# Altium PCB DIOT_PSU_integrated.PcbDoc (part 1 of 3)
Units mm, origin at the board's own origin, x right, y up, seen from the top; angles counter-clockwise.
Board outline 219.8 x 100 mm, 2 copper layers (Top Layer, Bottom Layer), stack 1.69 mm thick; 166 components, 95 nets, 513 pads, 1167 vias.
Unrouted connection lines stored in the file: 2.
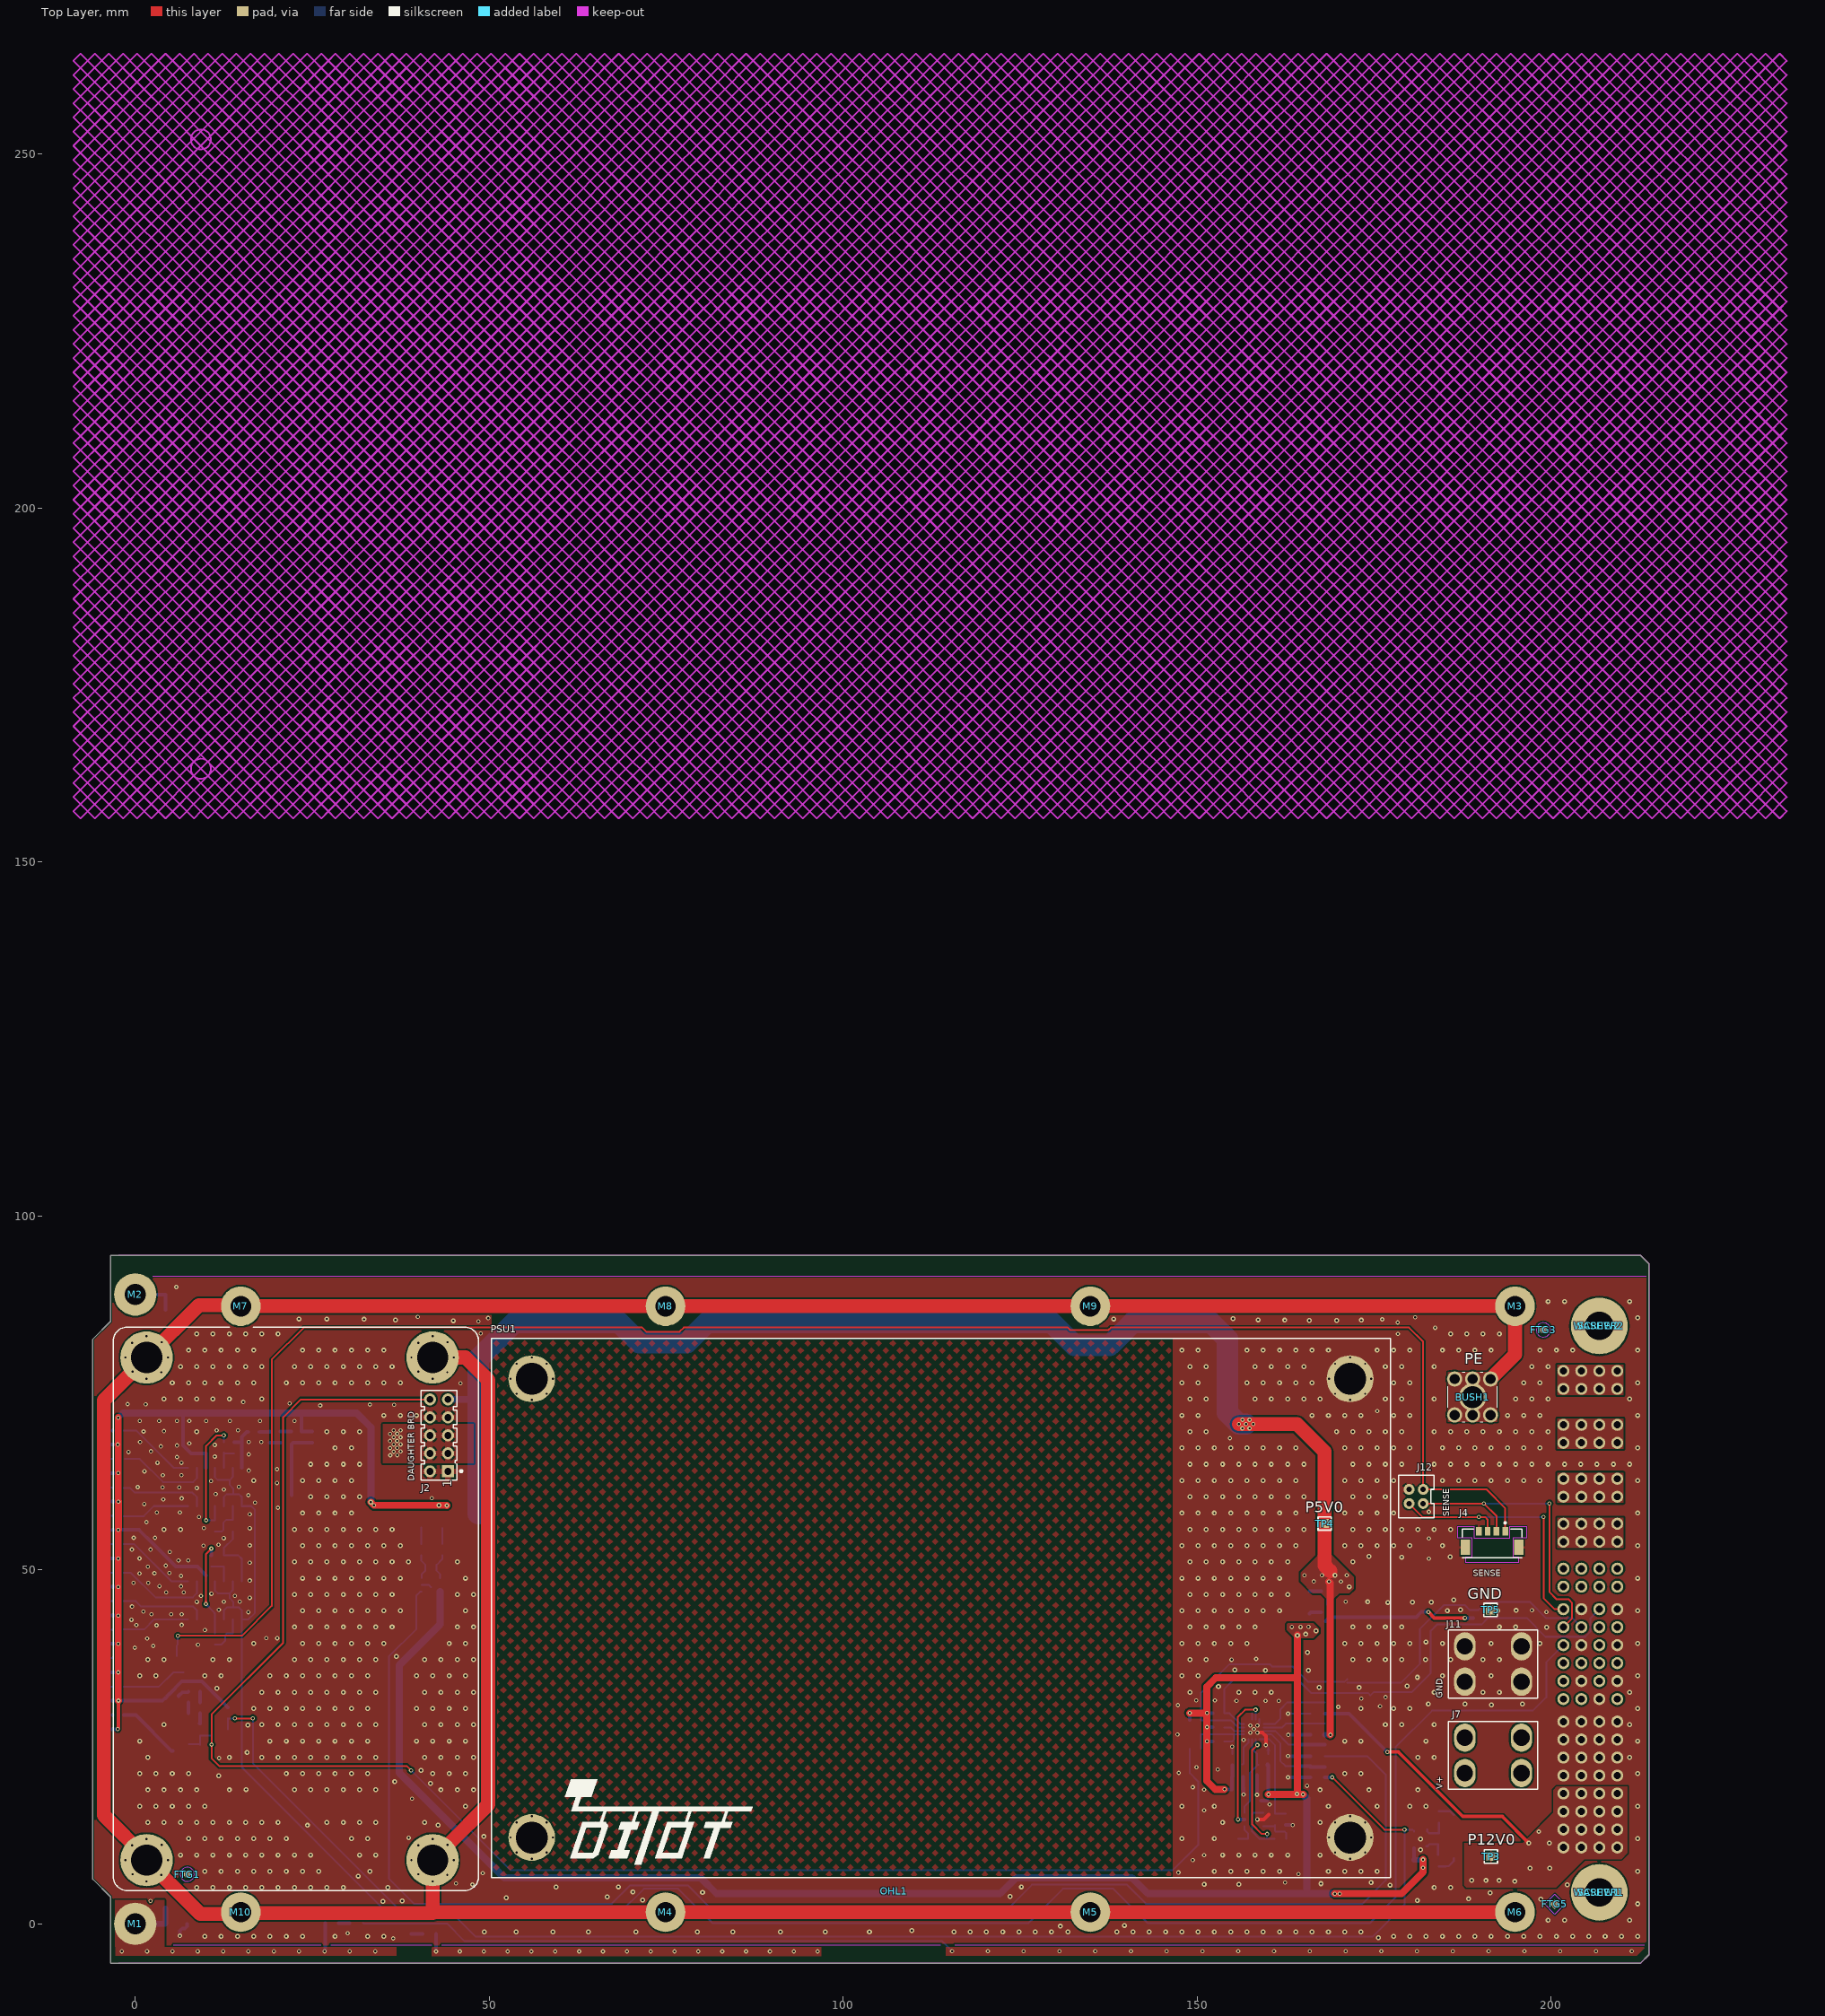
[diagram p0: Top Layer view]
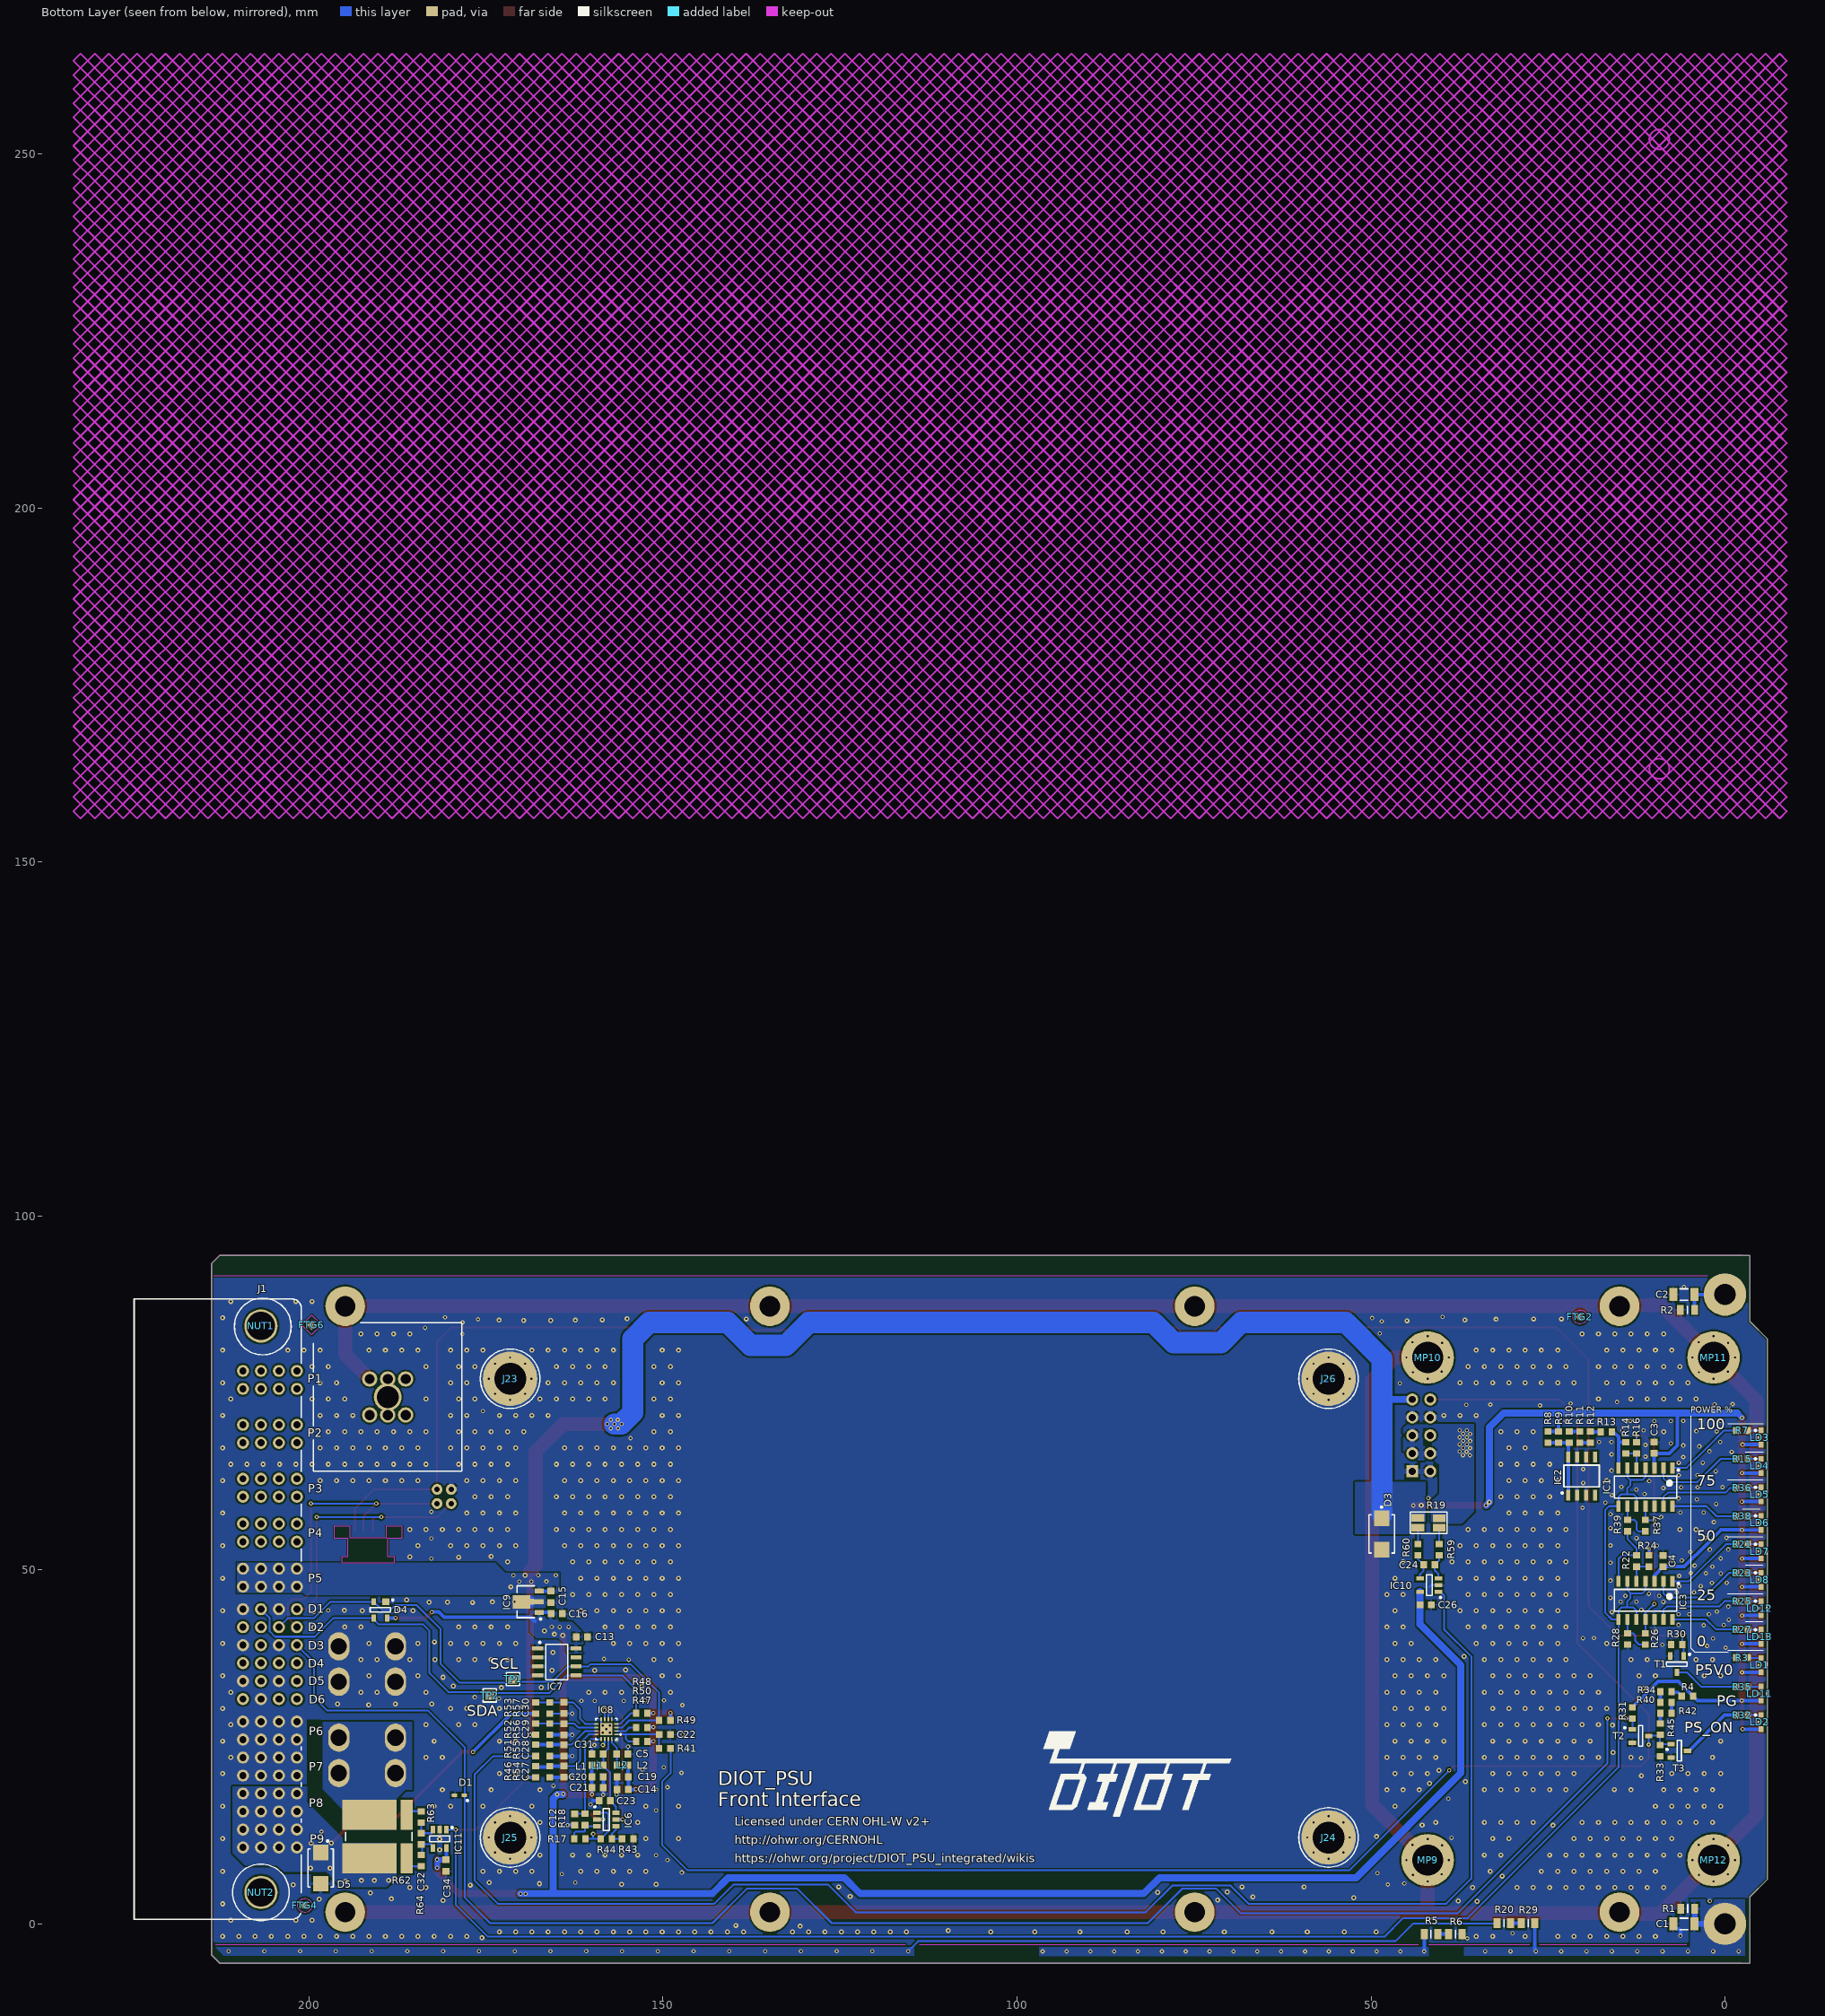
[diagram p1: Bottom Layer view, seen from below]
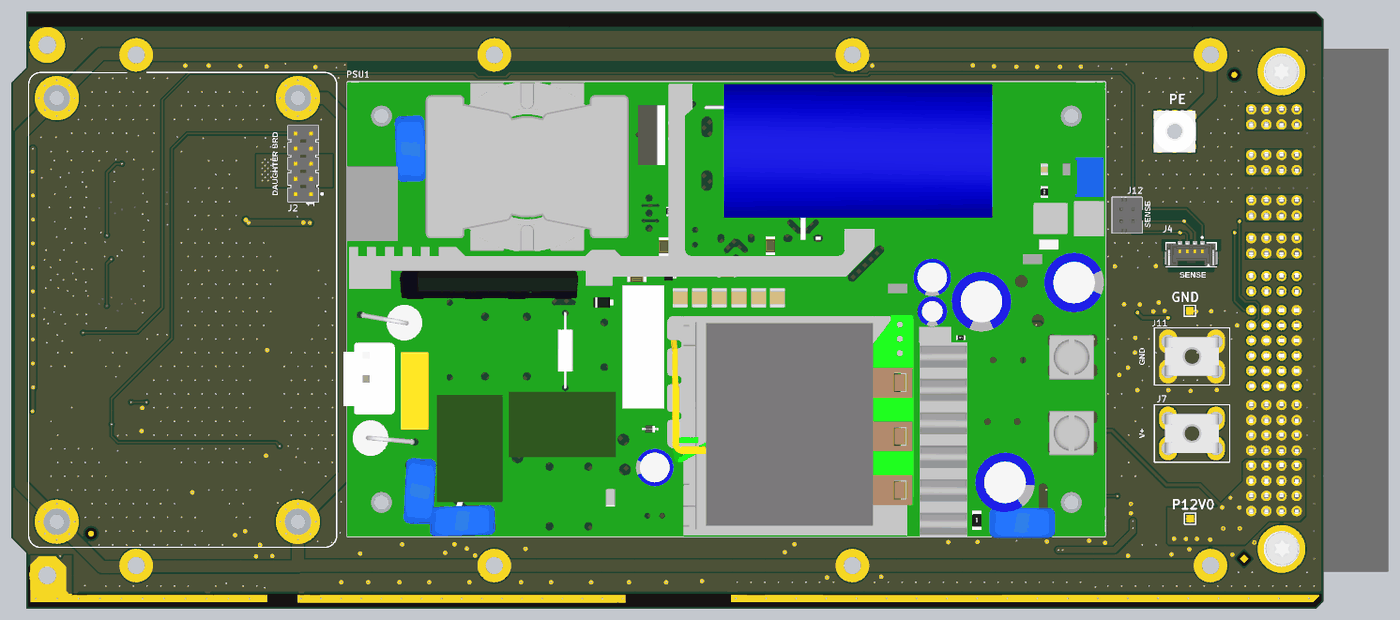
[diagram p4: 3D render of the assembled board from above, using the file's embedded part models]
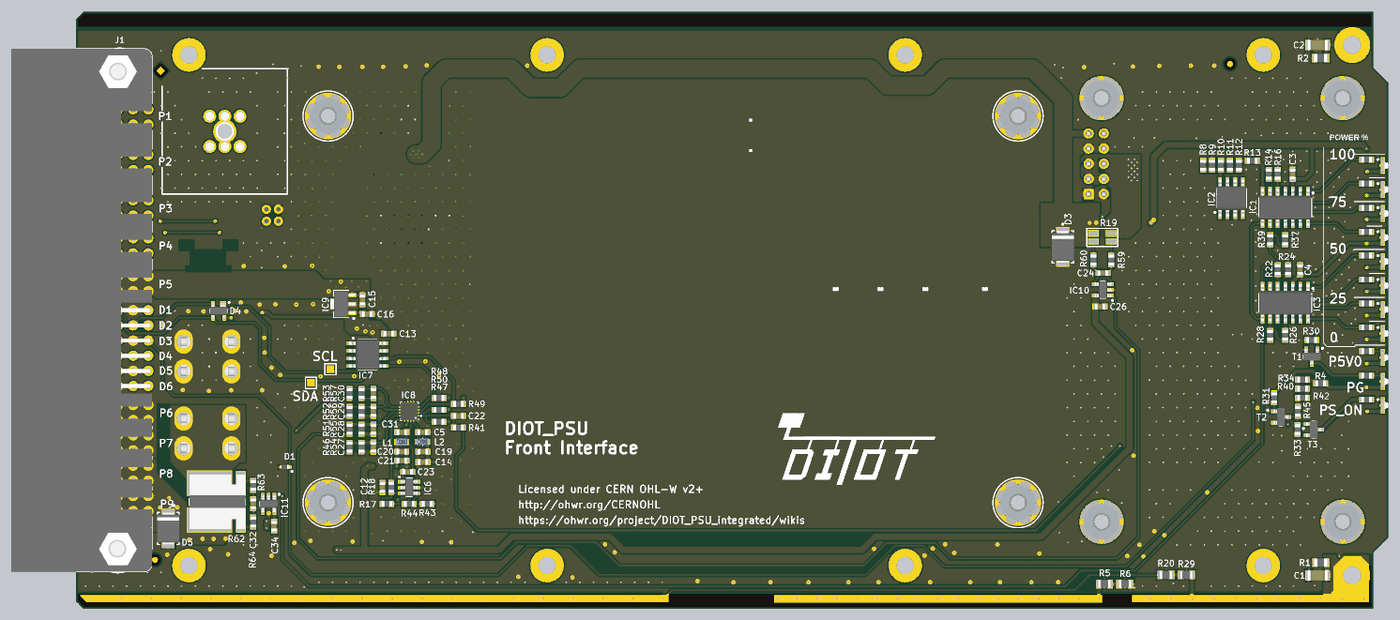
[diagram p5: 3D render of the assembled board from below, using the file's embedded part models]

## Layer stack, top to bottom
Top Solder: solder mask 0.02, Solder Resist, Dk 3.5
Top Layer: signal copper 0.07
Dielectric 2: core 1.55, FR-4, Dk 4.3
Bottom Layer: signal copper 0.07
Bottom Solder: solder mask 0.02, Solder Resist, Dk 3.5

## Board outline
-6,6.3 -3.5,3.8 -3.5,-5.55 212.63,-5.55 213.8,-4.38 213.8,93.25 212.6,94.45 -3.5,94.45 -3.5,85.1 -6,82.6

## Design rules (kind name [scope] priority, off if disabled: settings)
AcuteAngle [All] p1: minimum=6.00000000000000E+0001 checktracksonly=TRUE
BoardOutlineClearance [All] p1: gap=0.254 ignorepadtopadclearanceinfootprint=FALSE except(0: Arc-SplitContinuation Track-SplitContinuation SMDPad-SplitContinuation THPad-SplitContinuation Via-SplitContinuation Fill-SplitContinuation Poly-SplitContinuation Region-SplitContinuation Text-SplitContinuation)
Clearance Clearance_NPTH [not IsSMTPin and not PadIsPlated] p1: gap=0.3 ignorepadtopadclearanceinfootprint=FALSE
Clearance Clearance_Mires [OnLayer('Keep-Out Layer') vs HasFootprint('FIDUCIAL_TOP_S200-400') or HasFootprint('FIDUCIAL_TOP_C100-200') or HasFootprint('FIDUCIAL_TOP_S100-200') or  HasFootprint('FIDUCIAL_TOP_C40-120')] p2: gap=0 ignorepadtopadclearanceinfootprint=FALSE except(4.9: Arc-SMDPad Track-SMDPad)
Clearance Clearance_outer [OnOutside] p3: gap=0.203 ignorepadtopadclearanceinfootprint=TRUE except(0.254: Arc-Poly Track-Poly SMDPad-Poly THPad-Poly Via-Poly Fill-Poly Poly-Poly)
Clearance Clearance_inner [OnMid] p4: gap=0.203 ignorepadtopadclearanceinfootprint=FALSE except(0.254: Arc-Poly Track-Poly SMDPad-Poly THPad-Poly Via-Poly Text-Text Text-Hole; 0.508: Fill-Poly Poly-Poly Poly-Region)
ComponentClearance Not_PSU [HasFootprint('LOP-400-12')] p1: gap=-25.4 collisioncheckmode=3 verticalgap=-25.4 showdistances=TRUE donotcheckwithout3dbody=TRUE
ComponentClearance DIOT_connector [HasFootprint('AMPHENOL_51939-667') OR (HasFootprint('BOSSARD_BN628-1241443_v') OR HasFootprint('BOSSARD_BN5687-3061608_v')) or HasFootprint('BOSSARD_BN83728-8243964_v') vs (HasFootprint('BOSSARD_BN628-1241443_v') OR HasFootprint('BOSSARD_BN5687-3061608_v')) or HasFootprint('BOSSARD_BN83728-8243964_v')] p2: gap=-25.4 collisioncheckmode=3 verticalgap=-25.4 showdistances=TRUE
ComponentClearance [All] p3: gap=0.254 collisioncheckmode=3 verticalgap=0.254 showdistances=TRUE donotcheckwithout3dbody=TRUE
FabricationTestPointUsage TestPointUsage [All] p1: valid=0 allowmultiple=FALSE
FabricationTestpoint Testpoint [All] p1: side=3 testpointundercomponent=TRUE minsize=1.016 maxsize=2.54 preferedsize=1.524 minholesize=0 maxholesize=1.016 preferedholesize=0.813 testpointgrid=0.025 allowsidetop=TRUE allowsidebottom=TRUE usegrid=TRUE gridtolerance=0
Height Height_Bot [OnBottom] p1: minheight=0 maxheight=20 prefheight=10
Height Height_Top [OnTop] p2: minheight=0 maxheight=38 prefheight=10
HoleSize [All] p1: absolutevalues=TRUE maxlimit=5 minlimit=0.3 maxpercent=80.000 minpercent=20.000
HoleToHoleClearance [Not InComponent('BUSH1')] p1: gap=0.3 allowstackedmicrovias=TRUE
MinimumAnnularRing MinimumAnnularRing_Via [IsVia] p1: minimumring=0.15
MinimumSolderMaskSliver [IsThruPin vs IsThruPin] p1: minsoldermaskwidth=0
NetAntennae MP [InComponent('MP10') or InComponent('MP11')] p1: netantennaetolerance=100
NetAntennae [All] p2: netantennaetolerance=0
PasteMaskExpansion [All] p1: expansion=-0.1
PermittedLayers [All] p1: toplayerpermitted=TRUE bottomlayerpermitted=TRUE
PlaneConnect PlaneConnect_Vias [(IsVia or InPadClass('Direct')   )] p1: planeconnectstyle=Direct reliefexpansion=0.508 reliefentries=4 reliefconductorwidth=0.254 reliefairgap=0.254
PlaneConnect "PlaneConnect_0 > 0.5" [AsMM(HoleDiameter)<0.5] p2: planeconnectstyle=Relief reliefexpansion=0.3 reliefentries=4 reliefconductorwidth=0.2 reliefairgap=0.2
PlaneConnect "PlaneConnect_0.5 > 1" [(AsMM(HoleDiameter)>=0.5) and (AsMM(HoleDiameter)<1)] p3: planeconnectstyle=Relief reliefexpansion=0.3 reliefentries=4 reliefconductorwidth=0.25 reliefairgap=0.2
PlaneConnect "PlaneConnect_1 > 1.5" [(AsMM(HoleDiameter)>=1) and (AsMM(HoleDiameter)<1.5)] p4: planeconnectstyle=Relief reliefexpansion=0.3 reliefentries=4 reliefconductorwidth=0.3 reliefairgap=0.2
PlaneConnect "PlaneConnect_1.5 > 2" [(AsMM(HoleDiameter)>=1.5) and (AsMM(HoleDiameter)<4)] p5: planeconnectstyle=Direct reliefexpansion=0.3 reliefentries=4 reliefconductorwidth=0.4 reliefairgap=0.2
PlaneConnect [All] p6: planeconnectstyle=Relief reliefexpansion=0.3 reliefentries=4 reliefconductorwidth=0.5 reliefairgap=0.2
PolygonConnect PolygonConnect_1 [All vs HasFootprint('SOIC127P600X175-8N')] p1: connectstyle=Relief reliefconductorwidth=0.5 reliefentries=4 polygonreliefangle="90 Angle" airgapwidth=0.254
PolygonConnect PolygonConnect_2 [All vs HasFootprint('61001021121')] p2: connectstyle=Relief reliefconductorwidth=1 reliefentries=4 polygonreliefangle="90 Angle" airgapwidth=0.406
PolygonConnect Polygon_Direct_Connect [All vs HasFootprint('AMT0430015DB0000G') or HasFootprint('AMPHENOL_51939-667') or HasFootprint('RES_VISHAY_WSL3637_0R001-0R0019') or HasFootprint('Molex 22-23-2031') or HasFootprint('TO228P990X238-3N-R640X555') or HasFootprint('DIOM5436X261N') or  HasFootprint('SOT89') or  HasFootprint('MOLEX_444321601') or HasFootprint('FC4T')] p3: connectstyle=Direct reliefconductorwidth=0.254 reliefentries=4 polygonreliefangle="90 Angle" airgapwidth=0.254
PolygonConnect PolygonConnect_PE [InNet('PE') vs InComponent('J5')] p4: connectstyle=Direct reliefconductorwidth=0.254 reliefentries=4 polygonreliefangle="90 Angle" airgapwidth=0.254
PolygonConnect PolygonConnect_to_GND [All vs HasFootprint('MOLEX_22-05-7038') or HasFootprint('9775066360R')] p5: connectstyle=Direct reliefconductorwidth=0.254 reliefentries=4 polygonreliefangle="90 Angle" airgapwidth=0.254
PolygonConnect [All] p6: thpad.connectstyle=Relief thpad.reliefconductorwidth=0.85 thpad.reliefentries=4 thpad.polygonreliefangle="90 Angle" thpad.airgapwidth=0.254 smdpad.connectstyle=Relief smdpad.reliefconductorwidth=0.254 smdpad.reliefentries=4 smdpad.polygonreliefangle="90 Angle" smdpad.airgapwidth=0.254 via.connectstyle=Direct via.reliefconductorwidth=0.254 via.reliefentries=4 via.polygonreliefangle="90 Angle" via.airgapwidth=0.254
RoutingLayers RoutingLayers_MGT [InNetClass('FMC_MGT') or InNetClass('SLOT1_MGT') or InNetClass('SLOT2_MGT')  or InNetClass('SLOT3_MGT')  or InNetClass('SLOT4_MGT') or InNetClass('SLOT5_MGT')  or InNetClass('SLOT6_MGT')    or InNetClass('SLOT7_MGT')   or InNetClass('SLOT8_MGT')] p1: top layer_v5=TRUE bottom layer_v5=TRUE
RoutingVias [All] p1: holewidth=0.3 width=0.7 viastyle="Through Hole" minholewidth=0.3 minwidth=0.5 maxholewidth=1 maxwidth=2
SilkToSilkClearance [All] p1: silktosilkclearance=0.01
SilkToSolderMaskClearance [IsPad and not InPadClass ('Overlay_exceptions')] p1: minsilkscreentomaskgap=0.1 clearancetoexposedcopper=TRUE
SolderMaskExpansion [All] p1: expansion=0.015 istentingtop=FALSE
SupplyNets "Schematic Supply Nets_4" [InNet('CHASSIS')] p1: voltage=0.000
SupplyNets "Schematic Supply Nets_12" [InNet('AVDD')] p2: voltage=0.000
SupplyNets "Schematic Supply Nets_11" [InNet('P12V0')] p3: voltage=0.000
SupplyNets "Schematic Supply Nets_6" [InNet('P5V0_SB')] p4: voltage=0.000
SupplyNets "Schematic Supply Nets_10" [InNet('P5V0')] p5: voltage=0.000
SupplyNets "Schematic Supply Nets_16" [InNet('P3V3')] p6: voltage=0.000
SupplyNets "Schematic Supply Nets_7" [InNet('Vext2')] p7: voltage=0.000
SupplyNets "Schematic Supply Nets_5" [InNet('PE')] p8: voltage=0.000
SupplyNets "Schematic Supply Nets_3" [InNet('Vext4')] p9: voltage=0.000
SupplyNets "Schematic Supply Nets_2" [InNet('GND')] p10: voltage=0.000
SupplyNets "Schematic Supply Nets_1" [InNet('Vext3')] p11: voltage=0.000
SupplyNets "Schematic Supply Nets" [InNet('Vext1')] p12: voltage=0.000
UnRoutedNet [Not InNet('CHASSIS')] p1: checkbadconnections=TRUE
ViasUnderSMD [All] p1: allowed=TRUE
Width [All] p1: maxlimit=5 minlimit=0.203 preferedwidth=0.5
16 further rules are at their usual default settings.

## Classes and differential pairs
net class ESD_STRIP: CHASSIS STRIP1 STRIP2
component class Designator: C13 IC7
component class Designator4: J4 J7 J11 J12 J13 J16 J23 J24 J25 J26 PSU1
net class Power: P5V0 P12V0
component class Designator1: C3 C4 IC1 IC2 IC3 LD3 LD4 LD5 LD6 LD7 LD8 LD12 LD13 R7 R8 R9 R10 R11 R12 R13 R14 R15 R16 R21 R22 R23 R24 R25 R26 R27 R28 R36 R37 R38 R39
component class DIOT_PSU_integrated: BUSH1 C1 C2 C15 C16 D1 D4 FTG1 FTG2 FTG3 FTG4 FTG5 FTG6 IC9 J1 J2 J8 J9 J10 LD1 LD2 LD11 M1 M2 M3 M4 M5 M6 M7 M8 M9 M10 MP9 MP10 MP11 MP12 NUT1 NUT2 OHL1 R1 R2 R3 R4 R5 R6 R20 R29 R30 R31 R32 R33 R34 R35 R40 R42 R45 SCREW1 SCREW2 T1 T2 T3 TP1 TP2 TP3 TP4 TP5 WASHER1 WASHER2
